# Altium PCB V5_BASE.PcbDoc (part 1 of 2) (continued)
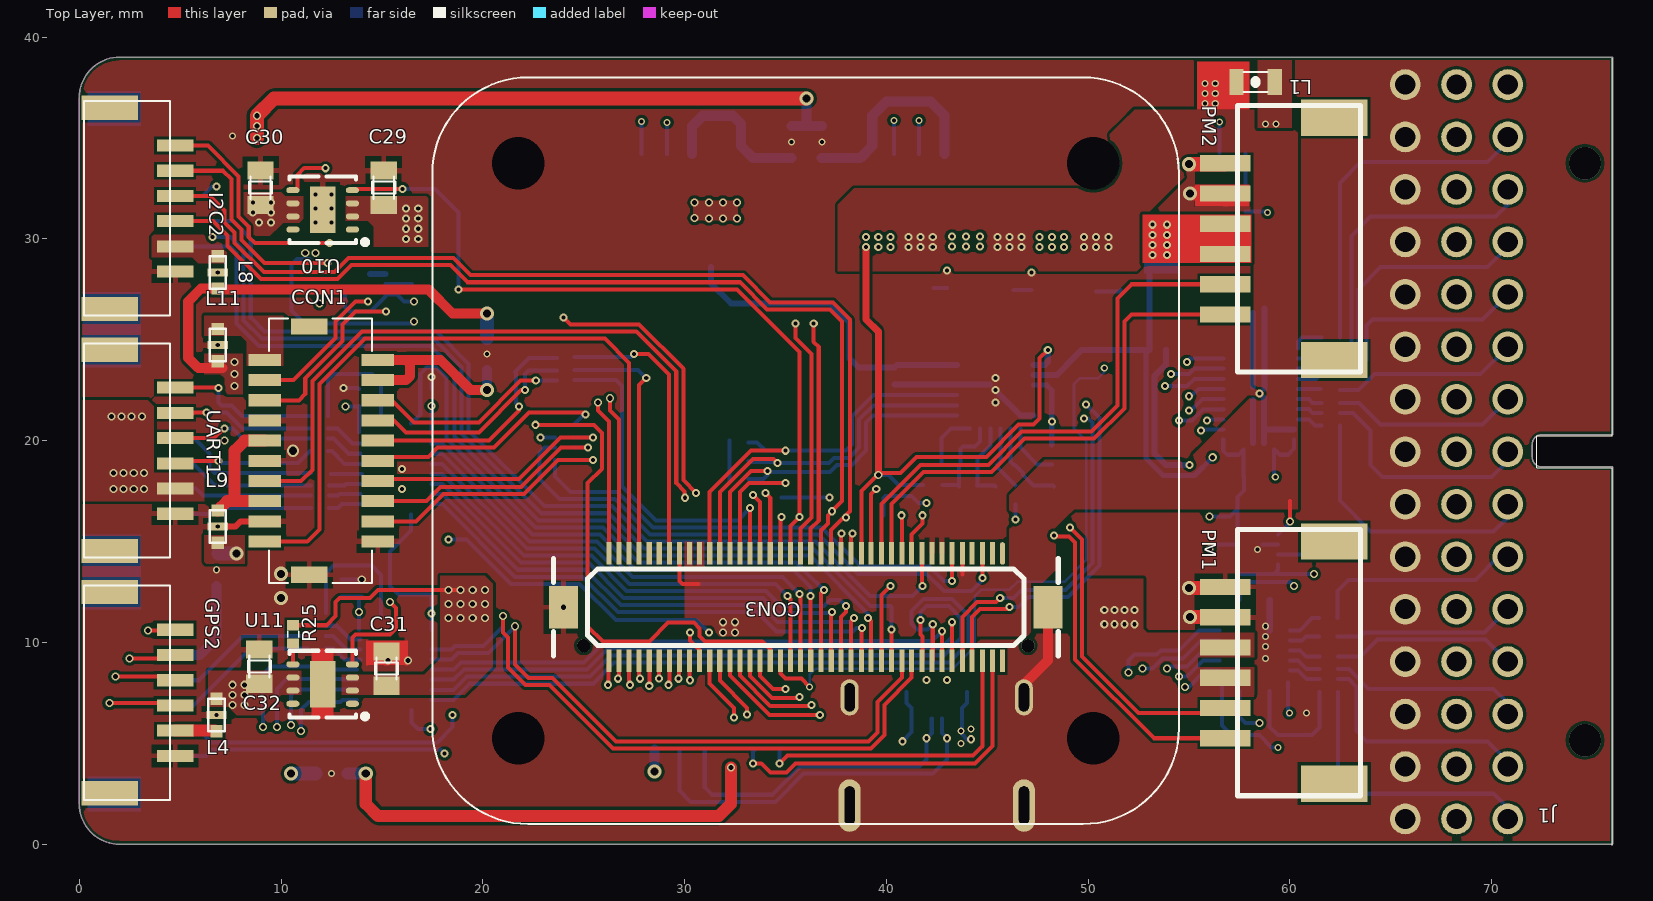
[diagram p0: Top Layer view]
## Footprints (in the part's own frame and the unit in brackets; to place one, negate y for a bottom-side part, rotate by r counter-clockwise, add the part's x,y. Pads: shape width x height; smd on the part's side, far side on the other; paste and mask are expansions set on the pad) (continued)
  silkscreen extent -3.99,-0.66 4.16,2.94, body extent -4.07,-1.67 4.18,3.18, height 4.4
DF17(1.0H)-80DP-0.5V(57) [mil]
  rrect100% 10x44 smd: 1(374,104.67)
  rect 10x44 smd: 2(374,-104.67) 3(355,104.67) 4(355,-104.67) 5(335,104.67) 6(335,-104.67) 7(315,104.67) 8(315,-104.67) 9(296,104.67) 10(296,-104.67) 11(276,104.67) 12(276,-104.67) 13(256,104.67) 14(256,-104.67) 15(237,104.67) 16(237,-104.67) 17(217,104.67) 18(217,-104.67) 19(197,104.67) 20(197,-104.67) 21(178,104.67) 22(178,-104.67) 23(158,104.67) 24(158,-104.67) 25(138,104.67) 26(138,-104.67) 27(118,104.67) 28(118,-104.67) 29(99,104.67) 30(99,-104.67) 31(79,104.67) 32(79,-104.67) 33(59,104.67) 34(59,-104.67) 35(40,104.67) 36(40,-104.67) 37(20,104.67) 38(20,-104.67) 39(0,104.67) 40(0,-104.67) 41(-19.84,104.67) 42(-19.84,-104.67) 43(-39.53,104.67) 44(-39.53,-104.67) 45(-59.21,104.67) 46(-59.21,-104.67) 47(-78.9,104.67) 48(-78.9,-104.67) 49(-98.58,104.67) 50(-98.58,-104.67) 51(-118.27,104.67) 52(-118.27,-104.67) 53(-137.95,104.67) 54(-137.95,-104.67) 55(-157.64,104.67) 56(-157.64,-104.67) 57(-177.32,104.67) 58(-177.32,-104.67) 59(-197.01,104.67) 60(-197.01,-104.67) 61(-216.69,104.67) 62(-216.69,-104.67) 63(-236.38,104.67) 64(-236.38,-104.67) 65(-256.06,104.67) 66(-256.06,-104.67) 67(-275.75,104.67) 68(-275.75,-104.67) 69(-295.43,104.67) 70(-295.43,-104.67) 71(-315.12,104.67) 72(-315.12,-104.67) 73(-334.8,104.67) 74(-334.8,-104.67) 75(-354.49,104.67) 76(-354.49,-104.67) 77(-374.17,104.67) 78(-374.17,-104.67) 79(-393.86,104.67) 80(-393.86,-104.67)
  rect 56x83 smd: GND(-482.44,-0.33) GND(463,-0.33)
  round 26 hole 26 unplated: hole-1(-443.07,-75.14) hole-2(424,-75.14)
  silkscreen extent -502,-95 483,95, body extent -502,-110 482,115, height 124
KYOCERA-KNH16-DA [mm]
  rect 0.4x1 smd: GND(0,0)
  rect 0.61x0.61 smd: P$1(-0.8,0) P$2(0.8,0)
  silkscreen extent -0.8,-0.4 0.81,0.41, body extent -0.5,-0.25 0.5,0.25, height 0.35
MIC5530 [mm] "QFN, 8-Leads, Body 2.0x2.0mm (max), Pitch 0.00mm, Pitch1 0.50mm, IPC Medium Density"
  oval 0.65x0.225 smd: 1(-1,0.75) 2(-1,0.25) 3(-1,-0.25) 4(-1,-0.75) 5(1,-0.75) 6(1,-0.25) 7(1,0.25) 8(1,0.75)
  rrect50% 0.5x1.25 smd: 2(0,0)
  silkscreen extent -1.38,-1 1,1.42, body extent -1,-1 1,1, height 0.85
QFN8_0.65 [mm]
  rect 1.25x2.3 smd: 0(0,0)
  oval 0.65x0.3 smd: 1(-1.475,0.975) 2(-1.475,0.325) 3(-1.475,-0.325) 4(-1.475,-0.975) 5(1.475,-0.975) 6(1.475,-0.325) 7(1.475,0.325) 8(1.475,0.975)
  silkscreen extent -2.23,-1.65 1.65,1.72, body extent -1.6,-1.5 1.6,1.5, height 0.63
QFN24 [mm]
  rect 0.7x0.25 smd: 1(-1.9,1.25) 2(-1.9,0.75) 3(-1.9,0.25) 4(-1.9,-0.25) 5(-1.9,-0.75) 6(-1.9,-1.25) 13(1.9,-1.25) 14(1.9,-0.75) 15(1.9,-0.25) 16(1.9,0.25) 17(1.9,0.75) 18(1.9,1.25)
  rect 0.25x0.7 smd: 7(-1.25,-1.9) 8(-0.75,-1.9) 9(-0.25,-1.9) 10(0.25,-1.9) 11(0.75,-1.9) 12(1.25,-1.9) 19(1.25,1.9) 20(0.75,1.9) 21(0.25,1.9) 22(-0.25,1.9) 23(-0.75,1.9) 24(-1.25,1.9)
  rect 2x2 smd: 24(0,0)
  silkscreen extent -2,-1.9 2,2, body extent -2,-1.95 2,2.05, height 1
QFN24-RGY [mm]
  rrect50% 0.864x0.25 smd mask+0.07: 1(-2.647,-0.804) 12(2.864,-0.804) 13(2.864,0.708) 24(-2.647,0.708)
  rrect50% 0.25x0.864 smd mask+0.07: 2(-2.139,-1.804) 3(-1.656,-1.804) 4(-1.148,-1.804) 5(-0.64,-1.804) 6(-0.136,-1.804) 7(0.364,-1.804) 8(0.864,-1.804) 9(1.364,-1.804) 10(1.864,-1.804) 11(2.364,-1.804) 14(2.364,1.699) 15(1.864,1.699) 16(1.364,1.699) 17(0.864,1.699) 18(0.364,1.699) 19(-0.136,1.699) 20(-0.64,1.699) 21(-1.148,1.699) 22(-1.656,1.699) 23(-2.139,1.699)
  rect 0.6x0.2 smd mask+0.07: 22(-2.325,-0.325) 22(-2.325,0.225) 22(2.55,-0.325) 22(2.55,0.25)
  rect 3.5x1.75 smd mask+0.07: 22(0.125,0)
  silkscreen extent -2.98,-2.13 2.86,1.7, body extent -2.65,-1.8 2.87,1.72, height 1
R0402#1 [mm]
  rect 0.5x0.6 smd: 1(-0.475,0) 2(0.475,0)
  silkscreen extent -0.13,-0.27 0.14,0.28, body extent -0.51,-0.25 0.49,0.25, height 0.3
R0402#2 [mm]
  rect 0.5x0.6 smd: 1(0.275,-0.1) 2(-0.675,-0.1)
  silkscreen extent -0.13,-0.27 0.14,0.28, body extent -0.51,-0.25 0.49,0.25, height 0.3
SM06B-GHS-TB#1 [mm]
  rect 1.2x2.6 smd: 1(-4.975,2) 1(5,2)
  rect 0.6x1.8 smd: 1(-3.125,-1.25) 2(-1.875,-1.25) 3(-0.625,-1.25) 4(0.625,-1.25) 5(1.875,-1.25) 6(3.125,-1.25)
  silkscreen extent -5.3,-1 5.33,3.28, body extent -5.38,-1.87 5.38,2.98, height 4.35
SM06B-GHS-TB#2 [mm]
  rect 1.2x2.8 smd: 0(-4.975,2) 0(5,2)
  rect 0.6x1.8 smd: 1(-3.125,-1.25) 2(-1.875,-1.25) 3(-0.625,-1.25) 4(0.625,-1.25) 5(1.875,-1.25) 6(3.125,-1.25)
  silkscreen extent -5.3,-1 5.33,3.28, body extent -5.38,-1.88 5.37,2.97, height 4.35
SM07B-GHS-TB [mm]
  rect 1.2x2.6 smd: 1(-5.5,3.15) 1(5.5,3.15)
  rect 0.6x1.6 smd: 1(-3.75,0) 2(-2.5,0) 3(-1.25,0) 4(0,0) 5(1.25,0) 6(2.5,0) 7(3.75,0)
  silkscreen extent -6.02,0.15 6,4.42, body extent -6,-0.3 6,4.55, height 4.35
V5_IO_PWM [mil]
  round 60 hole 39.37: 1(-716.54,100) 2(-614.17,100) 3(-511.81,100) 4(-409.45,100) 5(-307.09,100) 6(-204.72,100) 7(-102.36,100) 8(0,100) 9(102.36,100) 10(204.72,100) 11(307.09,100) 12(409.45,100) 13(511.81,100) 14(614.17,100) 15(716.54,100) GND(-716.54,-100) GND(-614.17,-100) GND(-511.81,-100) GND(-409.45,-100) GND(-307.09,-100) GND(-204.72,-100) GND(-102.36,-100) GND(0,-100) GND(102.36,-100) GND(204.72,-100) GND(307.09,-100) GND(409.45,-100) GND(511.81,-100) GND(614.17,-100) GND(716.54,-100) RC_VCC(-716.54,0) "SERVO VCC"(-614.17,0) "SERVO VCC"(-511.81,0) "SERVO VCC"(-409.45,0) "SERVO VCC"(-307.09,0) "SERVO VCC"(-204.72,0) "SERVO VCC"(-102.36,0) "SERVO VCC"(0,0) "SERVO VCC"(102.36,0) "SERVO VCC"(204.72,0) "SERVO VCC"(307.09,0) "SERVO VCC"(409.45,0) "SERVO VCC"(511.81,0) "SERVO VCC"(614.17,0) "SERVO VCC"(716.54,0)
  silkscreen extent -768,156 768,304, body extent -769,-113 767,742, height 311
VQFN20 [mm]
  oval 0.3x0.7 smd: 1(-0.75,2.25) 10(-0.75,-2.25) 11(0.75,-2.25) 20(0.75,2.25)
  oval 0.7x0.3 smd: 2(-1.75,1.75) 3(-1.75,1.25) 4(-1.75,0.75) 5(-1.75,0.25) 6(-1.75,-0.25) 7(-1.75,-0.75) 8(-1.75,-1.25) 9(-1.75,-1.75) 12(1.75,-1.75) 13(1.75,-1.25) 14(1.75,-0.75) 15(1.75,-0.25) 16(1.75,0.25) 17(1.75,0.75) 18(1.75,1.25) 19(1.75,1.75)
  rect 1.8x2.8 smd: 21(0,0)
  silkscreen extent -2.73,-2.45 1.95,2.45, body extent -1.9,-2.4 1.9,2.4, height 1

## Part data
C1 C2: library part "Cap Pol1", "Polarized Capacitor (Radial)"
C3 C4 C5 C6 C7 C8 C9 C10 C11 C12 C13 C14 C15 C16 C17 C18 C21 C23 C24 C25 C26 C50 C51: library part Cap
C19 C20 C22 C27 C28 C29 C30 C31 C32: library part Cap, "Capacitor"
CON3: library part CON-DF17-80F, "CONN RECEPT 80POS .5MM SMD W/FIT"
L1: library part 0402R100R, "0402R100R 1%"
L2 L3 L4 L5 L6 L7 L8 L9 L10 L11: "Capacitor, Filter, 0.1uF, 25V, 2A, 0603, SMD"
R1 R2 R3 R4 R5 R6 R7 R8 R9 R10 R11 R12 R13 R14: library part Res2, "Resistor"
R15 R16 R17 R18 R20 R21 R23 R24 R27: library part 0402-8R-4R
R19 R25 R26: "0402R1K 1%"
R22 R28 R29: "0402R100R 1%"
U7 U9: library part MIC5530

## Free pads (board coordinates)
  round 0 hole 2.6: 0(21.75,5.25) 0(21.75,33.75) 0(50.25,5.25) 0(50.25,33.75)
  round 2 on Bottom Overlay: 1(74.624,5.148) 1(74.624,33.748)

## Via types
v1: diameter 0.4, hole 0.2, Top Layer to Bottom Layer, tented both sides, 195 vias
v2: diameter 0.4, hole 0.25, Top Layer to Bottom Layer, tented both sides, 88 vias
v3: diameter 0.35, hole 0.2, Top Layer to Bottom Layer, tented both sides, 38 vias
v4: diameter 0.7, hole 0.4, Top Layer to Bottom Layer, tented both sides, 13 vias
v5: diameter 1.6, hole 1.6, Top Layer to Bottom Layer, tented both sides, 2 vias
v6: diameter 0.6, hole 0.4, Top Layer to Bottom Layer, tented both sides, 1 vias

## Nets (pads, with @x,y where several pads share a name; then routed paths per layer and width w, separated by ;. In a path a pad name is that pad's centre, name@x,y a point inside that pad or via, vN(x,y) a via of type N, cw(c..) or ccw(c..) an arc to the next point about the centre after c; other vN are vias at no path point)
3V3_ADC: CON1.7 R19.2 | length 51.9
  Top Layer w0.2: CON1.7@9.2,18 11,18 11.55,18.55 11.55,22.945 14.005,25.4 27.605,25.4 29.588,23.418 29.588,17.893 30,17.48 v1@30,17.339
  Signal Layer 1 w0.2: v1@30.1,17.17 30.1,17.695 33.055,20.65 38.9,20.65 42,17.55 v1(42,16.9)
  Bottom Layer w0.2: R19.2@39.85,16.3 39.85,17.15 39.95,17.25 41.25,17.25 41.6,16.9 v1(42,16.9)
  other v1: 30.027,17.17
3V3_SENSORS_ADC: CON3.21 R19.1 | length 1.7
  Top Layer w0.2: CON3.21@40.771,14.408 v1@40.771,16.121
  other v1: 40.75,16.3
5V_OUT1: C30.1 U10.6 U10.7 UART1.2 UART2.2
  other v1: 8.9,30.8 9.5,30.8 8.6,31.3 9.5,31.3 8.6,31.8 9.5,31.8
  other v2: 1.7,17.6 2.2,17.6 2.7,17.6 3.2,17.6 1.7,18.4 2.2,18.4 2.7,18.4 3.2,18.4 1.6,21.2 2.1,21.2 2.6,21.2 3.1,21.2
5V_OUT2: C32.1 L2.P$1 L3.P$1 L4.P$1 L5.P$1 L6.P$1 L7.P$1 L8.P$1 L9.P$1 L10.P$1 L11.P$1 U11.6 U11.7 | length 62.4
  Top Layer w0.5: 7.1,23.6 5.9,23.6 5.4,24.1 5.4,26.9 6.036,27.536 L8.P$1@6.864,27.536 6.899,27.5 17.3,27.5 18.5,26.3 v4(20.2,26.3)
  Top Layer w0.7: v2(8.8,35) v2(8.8,36.1) 9.65,36.95 v4(36.05,36.95)
  Signal Layer 1 w0.7: v2(8.2,7.4) 10.5,7.4 11.8,6.1 11.8,4.8 v4(10.5,3.5)
  Bottom Layer w0.5: L6.P$1@35.3,35.6 36.05,35.6 ; v4(36.05,36.95) 36.05,35.6 ; L5.P$1@36.8,35.6 36.05,35.6
  Bottom Layer w0.7: L3.P$1@6.9,14.4 v4(7.8,14.4) ; v4(10.5,3.5) L2.P$1@11.7,3.5 ; L10.P$1@20.2,25.1 v4(20.2,26.3)
  other v2: 7.6,6.9 8.2,6.9 7.6,7.4 7.6,7.9 8.2,7.9 7.2,20 7.7,22.7 7.7,23.3 7.7,23.9 8.8,35.6
ADC_VCC: CON1.5 CON1.8 L9.P$2 | length 6.7
  Top Layer w0.6: L9.P$2@6.864,16.536 7.328,17 7.7,17 ; CON1.8@9.2,17 7.7,17 ; CON1.5@9.2,20 8.2,20 7.7,19.5 7.7,17
ALARM: CON3.24 SAFE.3 | length 52.7
  Top Layer w0.2: CON3.24@40.263,9.091 v1(40.263,10.637)
  Signal Layer 1 w0.2: v1(6.6,30.1) 6.6,30.2 6.8,30.4 v1(6.8,32.6)
  Bottom Layer w0.2: SAFE.3@4.75,32.125 6.1,32.125 6.575,32.6 v1(6.8,32.6) ; v1(6.6,30.1) 7.5,30.1 8.15,29.45 8.15,25.945 9.045,25.05 17.555,25.05 18.95,23.655 18.95,20.355 22.905,16.4 26.25,16.4 28,14.65 36.355,14.65 39.205,11.8 40.2,11.8 40.263,11.737 v1(40.263,10.637)
AUX1: J1.10 R29.2 | length 10.5
  Bottom Layer w0.2: R29.2@62.35,11.2 62.35,12.55 62.9,13.1 69.2,13.1 70.348,14.248 J1.10@70.799,14.248
AUX2: J1.11 R28.2 | length 9
  Bottom Layer w0.2: R28.2@62.35,10.3 63.5,10.3 63.7,10.5 69.651,10.5 J1.11@70.799,11.648
AUX3: J1.12 R27.5 | length 9.2
  Bottom Layer w0.2: R27.5@62.375,9.3 63.5,9.3 64.35,10.15 69.698,10.15 J1.12@70.799,9.048
AUX4: J1.13 R27.6 | length 9.7
  Bottom Layer w0.2: R27.6@62.375,8.675 62.925,8.675 63.9,7.7 70.1,7.7 70.799,7.001 J1.13@70.799,6.448
AUX5: J1.14 R27.7 | length 11.7
  Bottom Layer w0.2: R27.7@62.375,8.175 62.925,8.175 63.3,7.8 63.3,5.6 63.8,5.1 69.8,5.1 70.799,4.101 J1.14@70.799,3.848
AUX6: J1.15 R27.8 | length 13.8
  Bottom Layer w0.2: R27.8@62.375,7.55 62.375,3.325 63.2,2.5 70.1,2.5 70.799,1.801 J1.15@70.799,1.248
AUX_1: R29.1 U19.14 | length 1.7
  Bottom Layer w0.2: U19.14@60,10.6 60.5,10.6 61.1,11.2 R29.1@61.45,11.2
AUX_2: R28.1 U19.15 | length 1.5
  Bottom Layer w0.2: U19.15@60,10.1 60.6,10.1 60.8,10.3 R28.1@61.45,10.3
AUX_3: R27.4 U19.16 | length 1.6
  Bottom Layer w0.2: U19.16@60,9.6 60.5,9.6 60.8,9.3 R27.4@61.475,9.3
AUX_4: R27.3 U19.17 | length 1.7
  Bottom Layer w0.2: U19.17@60,9.1 60.4,9.1 60.825,8.675 R27.3@61.475,8.675
AUX_5: R27.2 U19.18 | length 1.7
  Bottom Layer w0.2: U19.18@60,8.6 60.4,8.6 60.825,8.175 R27.2@61.475,8.175
AUX_6: R27.1 U19.20 | length 6.4
  Bottom Layer w0.2: U19.20@59,7.6 59,5.8 59.4,5.4 61.1,5.4 61.475,5.775 R27.1@61.475,7.55
AUX_BATT_CURRENT_SENS: CON3.25 PM2.5 | length 27.1
  Top Layer w0.2: CON3.25@39.755,14.408 39.755,16.855 41.7,18.8 45.055,18.8 46.705,20.45 50.155,20.45 51.45,21.745 51.45,27.05 52.15,27.75 PM2.5@56.8,27.75
AUX_BATT_VOLTAGE_SENS: CON3.23 PM2.6 | length 25.4
  Top Layer w0.2: CON3.23@40.263,14.408 40.263,16.868 41.845,18.45 45.2,18.45 46.85,20.1 50.3,20.1 51.8,21.6 51.8,25.9 52.15,26.25 PM2.6@56.8,26.25
BATT1_CURRENT_PROT: CON3.49 PM1.5 | length 36.4
  Top Layer w0.2: v1(33.4,17.3) 33.746,16.954 CON3.49@33.746,14.408 ; v1(49.1,15.7) 49.7,15.1 49.7,9.3 52.5,6.5 56.55,6.5 PM1.5@56.8,6.75
  Signal Layer 1 w0.2: v1(33.4,17.3) 33.8,16.9 35.495,16.9 36.22,17.625 37.58,17.625 40.755,14.45 47.04,14.45 47.39,14.8 48.8,14.8 49.1,15.1 v1(49.1,15.7)
BATT1_VOLTAGE_PROT: CON3.47 PM1.6 | length 35.2
  Top Layer w0.2: v1(34,17.4) 34.246,17.154 CON3.47@34.246,14.408 ; v1(48.3,15.3) 48.35,15.25 49.05,15.25 49.35,14.95 49.35,9.155 53.255,5.25 PM1.6@56.8,5.25
  Signal Layer 1 w0.2: v1(34,17.4) 35.5,17.4 36.075,17.975 37.725,17.975 40.9,14.8 46.895,14.8 47.395,15.3 v1(48.3,15.3)
CAN1_VCC: CAN1.2 L5.P$2 | length 10.3
  Bottom Layer w0.5: L5.P$2@36.8,34 38.7,34 39.3,34.6 39.3,36.1 40,36.8 42.2,36.8 42.875,36.125 CAN1.2@42.875,34.207
CAN2_VCC: CAN2.2 L6.P$2 | length 8
  Bottom Layer w0.5: CAN2.2@30.375,34.207 30.375,35.575 30.9,36.1 32.4,36.1 32.8,35.7 32.8,34.6 33.4,34 L6.P$2@35.3,34
CAN_H_1: CAN2.4 CON3.79 | length 26.1
  Top Layer w0.2: v2(25.7,21.9) 25.7,21.5 26.261,20.939 26.261,14.423 CON3.79@26.246,14.408
  Signal Layer 1 w0.2: v2(25.7,21.9) 25.65,21.95 25.65,30.945 26.355,31.65 28.35,31.65 28.7,32 28.7,35.1 27.975,35.825 v3(27.875,35.825)
  Bottom Layer w0.2: CAN2.4@27.875,34.207 v3(27.875,35.825)
CAN_H_2: CAN1.4 CON3.41 | length 28.4
  Top Layer w0.2: v1(35.5,25.8) 35.5,25.095 36.3,24.295 36.3,16.189 35.746,15.635 CON3.41@35.746,14.408
  Signal Layer 1 w0.2: v1(35.5,25.8) 35.65,25.95 35.65,32.65 36.75,33.75 40.55,33.75 40.9,34.1 40.9,35.35 v3(40.375,35.875)
  Bottom Layer w0.2: CAN1.4@40.375,34.207 v3(40.375,35.875)
CAN_L_1: CAN2.3 CON3.77 | length 25.8
  Top Layer w0.2: v2(26.3,22.1) 26.3,21.5 26.746,21.054 CON3.77@26.746,14.408
  Signal Layer 1 w0.2: v2(26.3,22.1) 26,22.4 26,30.8 26.5,31.3 28.6,31.3 29.1,31.8 29.1,35.75 v3(29.125,35.775)
  Bottom Layer w0.2: CAN2.3@29.125,34.207 v3(29.125,35.775)
CAN_L_2: CAN1.3 CON3.39 | length 28.4
  Top Layer w0.2: CON3.39@36.25,14.408 36.25,15.644 36.65,16.044 36.65,24.65 36.4,24.9 v1(36.4,25.8)
  Signal Layer 1 w0.2: v1(36.4,25.8) 36,26.2 36,32.505 36.895,33.4 41.1,33.4 41.625,33.925 v3(41.625,35.875)
  Bottom Layer w0.2: CAN1.3@41.625,34.207 v3(41.625,35.875)
D1_3V3: C13.2 C15.2 C20.1 C23.2 U5.2 U5.10 U6.2 U6.10 U7.8 | length 60.6
  Signal Layer 1 w0.2: v2(11.7,29.3) 11.7,30 12.05,30.35 13.25,30.35 13.8,29.8 13.8,27.531 13.5,27.231 13.5,23.815 13.95,23.365 13.95,17.529 15.479,16 16.6,16 17.464,15.136 17.464,13.1 ; v2(16.6,25.9) 16.4,25.7 16.4,22.06 16.75,21.711 v2(17.464,21.711) ; v1(17.4,5.7) 17.4,9.005 16.5,9.905 16.5,11.1 16.3,11.3 15.4,11.3 14.95,11.75 14.95,12.35 15.4,12.8 17.164,12.8 17.464,13.1 ; v1(17.464,11.431) 17.464,13.1
  Bottom Layer w0.2: 11.4,29 10.8,29 10.518,28.718 10.518,26.442 11.16,25.8 16.5,25.8 v2(16.6,25.9) ; U6.10@16.45,16.35 16.45,15.55 15.4,14.5 15.4,12.8 15.825,12.375 C23.2@16.3,12.375 C13.2@17.4,12.375 ; U5.10@16.464,6.65 16.464,6.036 16.8,5.7 v1(17.4,5.7) ; U6.2@17.45,20.35 17.45,21.697 v2(17.464,21.711) ; U5.2@17.464,10.651 v1(17.464,11.431) C13.2@17.464,12.211
  other v2: 11.2,29.3
D2_3V3: C14.2 C16.2 C18.1 C19.1 U5.19 U6.19 U7.7 | length 20.9
  Signal Layer 1 w0.2: v2(11.9,26.8) 11.5,26.4 11.5,23.4 v2(13.2,21.7) 13.2,12.2 13.864,11.536 v2(13.864,11.5)
  Bottom Layer w0.2: C18.1@13,12.275 C14.2@14,12.275 ; v2(13.2,21.7) 13.853,21.7 C16.2@13.864,21.711 U6.19@13.864,20.436 ; U5.19@13.864,10.651 v2(13.864,11.5) C14.2@13.864,12.211
F\M\U\-\L\E\D\_\A\M\B\E\R\: CON3.2
FMU-CH1-PROT: CON3.50 U19.7 | length 31.6
  Top Layer w0.2: CON3.50@33.746,9.091 33.746,8.339 34.385,7.7 v1(35,7.7)
  Signal Layer 1 w0.2: v1(35,7.7) 35,4.805 36.205,3.6 47.79,3.6 48.65,4.46 48.65,6.46 50.69,8.5 v2(52,8.5)
  Bottom Layer w0.2: v2(52,8.5) 52,9.1 52.3,9.4 53.4,9.4 53.6,9.6 54.5,9.6 55.5,10.6 U19.7@56.5,10.6
FMU-CH2-PROT: CON3.52 U19.6 | length 31.6
  Top Layer w0.2: CON3.52@33.246,9.091 33.246,8.344 34.34,7.25 35.65,7.25 v1(35.7,7.3)
  Signal Layer 1 w0.2: v1(35.7,7.3) 35.4,7 35.4,4.9 36.35,3.95 47.645,3.95 48.3,4.605 48.3,6.605 50.645,8.95 52.45,8.95 v2(52.7,8.7)
  Bottom Layer w0.2: v2(52.7,8.7) 53.195,8.7 53.695,9.2 54.7,9.2 55.6,10.1 U19.6@56.5,10.1
FMU-CH3-PROT: CON3.54 U19.5 | length 31.8
  Top Layer w0.2: CON3.54@32.746,9.091 32.746,8.349 34.245,6.85 36.25,6.85 v1(36.3,6.9)
  Signal Layer 1 w0.2: v1(36.3,6.9) 35.8,6.4 35.8,5.1 36.6,4.3 47.5,4.3 47.9,4.7 47.9,6.7 50.5,9.3 53.3,9.3 v2(53.9,8.7)
  Bottom Layer w0.2: v2(53.9,8.7) 54,8.8 54.9,8.8 55.7,9.6 U19.5@56.5,9.6
FMU-CH4-PROT: CON3.56 U19.4 | length 32.1
  Top Layer w0.2: CON3.56@32.246,9.091 32.246,8.354 34.2,6.4 v1(36.7,6.4)
  Signal Layer 1 w0.2: v1(36.7,6.4) 36.7,5.2 37.1,4.8 39.6,4.8 39.95,5.15 39.95,6.25 40.3,6.6 43.4,6.6 44.2,7.4 44.2,8.8 44.4,9 49.705,9 50.355,9.65 54.05,9.65 54.5,9.2 v2(54.5,8.3)
  Bottom Layer w0.2: v2(54.5,8.3) 54.9,8.3 55.7,9.1 U19.4@56.5,9.1
FMU-CH5-PROT: CON3.58 U19.3 | length 35.5
  Top Layer w0.2: CON3.58@31.746,9.091 31.746,8.104 33.1,6.75 v1(33.1,6.425)
  Signal Layer 1 w0.2: v1(33.1,6.425) 33.025,6.425 33.025,7.125 34.8,8.9 40.4,8.9 41,8.3 41,7.5 41.5,7 43.305,7 43.8,7.495 43.8,10 44.5,10.7 47.305,10.7 48.555,9.45 49.66,9.45 50.21,10 54.195,10 54.95,9.245 54.95,7.95 v2(54.8,7.8)
  Bottom Layer w0.2: v2(54.8,7.8) 55,7.8 55.8,8.6 U19.3@56.5,8.6
FMU-CH6-PROT: CON3.60 U19.1 | length 42.2
  Top Layer w0.2: CON3.60@31.246,9.091 31.246,7.954 32.45,6.75 v1(32.45,6.275)
  Signal Layer 1 w0.2: v1(32.45,6.275) 32.425,6.275 32.425,6.69 32.675,6.94 32.675,7.27 34.655,9.25 40.745,9.25 41.4,8.595 41.4,7.8 41.8,7.4 43.2,7.4 43.45,7.65 43.45,10.145 44.405,11.1 47.4,11.1 48.7,9.8 49.515,9.8 50.065,10.35 54.34,10.35 54.49,10.2 54.5,10.2 55.3,9.4 55.3,6.2 55.5,6 v2(58.5,6)
  Bottom Layer w0.2: U19.1@57.5,7.6 57.5,6.3 57.8,6 v2(58.5,6)
FMU-SWCLK: CON3.3
FMU-SWDIO: CON3.1
GND: C1.C C2.C C3.1 C4.1 C5.1 C6.1 C7.2 C8.2 C9.2 C10.2 C11.2 C12.2 C13.1 C14.1 C15.1 C16.1 C17.1 C18.2 C19.2 C20.2 C21.2 C22.2 C23.1 C24.2 C25.2 C26.1 C27.2 C28.2 C29.2 C30.2 C31.2 C32.2 C50.1 C51.1 CAN1.1 CAN2.1 CON1.4 CON1.6 CON1.9 CON1.11 CON3.13 CON3.15 CON3.GND GPS1.1 GPS2.1 I2C2.1 J1.GND L2.GND L3.GND L4.GND L5.GND L6.GND L7.GND L8.GND L9.GND L10.GND L11.GND pad.0 PM1.1 PM1.2 PM2.1 PM2.2 R7.1 R8.1 R9.1 RSSI.1 SAFE.1 U3.10 U3.24 U5.11 U5.21 U6.11 U6.21 U7.2 U8.11 U8.12 U8.13 U8.22 U9.2 U10.0 U11.0 U19.11 U19.21 UART1.1 UART2.1 USB.0 USB.A1 USB.A12 USB.B1 USB.B12 USB_I2C.1 | length 40.6
  Top Layer w0.3: v3(6.864,15.736) 7.736,15.736 8,16 CON1.9@9.2,16
  Top Layer w0.5: USB.0@46.82,7.275 46.82,7.92 48.01,9.11 CON3.GND@48.01,11.741 ; PM2.1@56.75,33.7 PM2.1@56.8,33.75 ; PM1.2@56.8,11.25 PM1.2@56.85,11.2 ; PM2.2@56.8,32.25 PM2.2@56.85,32.2
  Top Layer w0.7: v4(55,12.7) PM1.1@56.75,12.7 ; v4(55,33.7) PM2.1@56.75,33.7 ; v4(55.05,11.25) PM1.2@56.8,11.25 ; v4(55.05,32.25) PM2.2@56.8,32.25
  Bottom Layer w0.2: C18.2@13,13.125 v2(14,13.125) ; v1(13.1,22.6) 13.824,22.6 C16.1@13.864,22.561 ; C15.1@17.464,22.561 v1(17.464,23.164) ; 58.65,14.85 U9.2@59.4,14.85
  Bottom Layer w0.3: U7.2@14.418,28.25 U7.2@15.168,28.25 ; C5.1@40.4,22.775 C3.1@41.5,22.775 U3.24@45.125,22.775 ; v1(45.4,22.5) 46.65,21.25 U3.24@47.3,21.25 ; U8.22@58.175,19.875 U8.22@58.175,22 ; U8.22@58.175,22.65 U8.22@58.175,24.75 58.175,26.325 ; U8.22@58.725,19.875 U8.22@58.725,22.1 ; 58.725,20.544 U8.22@60.199,20.544 ; U8.22@58.75,22.575 U8.22@58.75,24.75 58.75,26.55 ; U19.21@59,10.6 U19.11@59,12.1
  other v1: 16,17.6 16,18.6 45.4,21.9 58.5,22.325 45.4,23.1 47.2,28.325 43,28.425 11.7,30.8 12.5,30.8 11.7,31.5 12.5,31.5 11.7,32.2 12.5,32.2
  other v2: 15.3,9.1 16.3,9.1 23.996,11.741
  other v3: 12.5,3.5 6.8,6.4 60.825,6.5 58.8,9.2 58.8,9.8 58.8,10.3 58.8,10.8 6.8,13.6 58.4,14.6 20.2,24.3 6.864,24.736 6.864,28.336 35.3,34.8 36.8,34.8 7.6,35.1
  other v4: 10,12.2 10,13.4
  other v6: 10.6,19.5
GPIO_SPI5_MISO: CON3.67 R20.5 | length 14.1
  Top Layer w0.2: v1(27.5,24.3) 28.21,24.3 29.238,23.273 29.238,14.417 CON3.67@29.246,14.408
  Bottom Layer w0.2: R20.5@24.538,24.136 27.336,24.136 v1(27.5,24.3)
GPIO_SPI5_MOSI: CON3.51 R20.7 | length 17
  Top Layer w0.2: CON3.51@33.246,14.408 v1(33.246,16.654)
  Bottom Layer w0.2: R20.7@24.538,23.01 26.59,23.01 26.9,22.7 26.9,17.73 28.58,16.05 32.642,16.05 v1(33.246,16.654)
GPIO_SPI5_SCK: CON3.73 R20.6 | length 12.6
  Top Layer w0.2: CON3.73@27.746,14.408 27.746,22.746 v1(28.1,23.1)
  Bottom Layer w0.2: R20.6@24.538,23.511 27.689,23.511 v1(28.1,23.1)
GPS1_RX1: GPS1.3 R17.6 | length 7.2
  Bottom Layer w0.2: GPS1.3@5,8.125 5.925,8.125 8.125,10.325 R17.6@11.325,10.325
GPS1_TX1: GPS1.4 R17.5 | length 7.5
  Bottom Layer w0.2: GPS1.4@5,6.875 5.67,6.875 8.495,9.7 R17.5@11.325,9.7
GPS1_VCC: GPS1.2 L3.P$2 | length 5
  Bottom Layer w0.5: GPS1.2@4.75,9.375 5.975,9.375 6.8,10.2 L3.P$2@6.8,12.8
GPS2_VCC: GPS2.2 L4.P$2 | length 2
  Top Layer w0.6: GPS2.2@4.75,5.625 L4.P$2@6.725,5.625
I2C2_VCC: I2C2.2 L8.P$2
I2C3_VCC: CON1.1 L11.P$2
I2C_2_SCL: CON3.6 I2C2.5 USB_I2C.7 | length 76.2
  Top Layer w0.2: I2C2.5@5,33.375 7.13,33.375 7.55,32.955 7.55,30.955 8.05,30.455 8.05,29.94 9.19,28.8 v1(12.3,28.8) ; v1(34.7,4) 35.1,4.4 44.305,4.4 44.759,4.854 CON3.6@44.759,9.091
  Signal Layer 1 w0.2: v1(12.3,28.8) 12.3,28.5 10.8,27 10.8,22.969 12.45,21.319 12.45,7.61 14.31,5.75 15.755,5.75 16.05,5.455 16.05,3.455 18.055,1.45 33.15,1.45 33.8,2.1 33.8,3.1 v1(34.7,4)
  Bottom Layer w0.2: v1(34.7,4) 34.7,4.65 USB_I2C.7@34.8,4.75
I2C_2_SDA: CON3.4 I2C2.6 USB_I2C.6 | length 78.6
  Top Layer w0.2: I2C2.6@5,34.625 6.375,34.625 7.9,33.1 7.9,31.1 8.4,30.6 8.4,30.1 8.7,29.8 v1(12.4,29.8) ; v1(33.4,4) 33.8,4 34.25,3.55 35.05,3.55 35.5,4 44.4,4 45.267,4.867 CON3.4@45.267,9.091
  Signal Layer 1 w0.2: v1(12.4,29.8) 12.4,29.5 12.8,29.1 12.8,27.9 12.5,27.6 11.895,27.6 11.15,26.855 11.15,23.114 12.8,21.464 12.8,7.755 14.455,6.1 15.9,6.1 16.4,5.6 16.4,3.6 18.2,1.8 33,1.8 33.4,2.2 v1(33.4,4)
  Bottom Layer w0.2: v1(33.4,4) 33.4,4.6 USB_I2C.6@33.5,4.7
I2C_3_SCL: CON1.2 CON3.10 | length 74
  Top Layer w0.2: CON1.2@9.2,23 10.615,23 12.7,25.085 12.7,25.9 13.7,26.9 v1(14.3,26.9) ; CON3.10@43.768,9.091 43.768,11.268 44.5,12 45.443,12 v1(45.643,12.2)
  Signal Layer 1 w0.2: v1(14.3,26.9) 14.3,24.005 14.65,23.655 14.65,17.819 15.719,16.75 23.025,16.75 24.178,17.903 25.85,17.903 31.746,23.8 40.205,23.8 43.505,20.5 46.995,20.5 47.902,21.407 49.493,21.407 v1(49.8,21.1)
  Bottom Layer w0.2: v1(45.643,12.2) 46.286,12.2 46.293,12.193 46.7,12.6 48.867,12.6 50.212,13.946 50.212,20.888 50,21.1 v1(49.8,21.1)
I2C_3_SDA: CON1.3 CON3.8 | length 75.3
  Top Layer w0.2: CON1.3@9.2,22 10.895,22 11.2,22.305 11.2,23.09 13.05,24.94 13.05,25.755 13.695,26.4 v1(15.2,26.4) ; CON3.8@44.251,9.091 44.251,11.256 44.645,11.65 46,11.65 v1(46.1,11.75)
  Signal Layer 1 w0.2: v1(15.2,26.4) 14.7,25.9 14.7,24.1 15,23.8 15,17.964 15.864,17.1 22.88,17.1 24.034,18.253 25.705,18.253 31.601,24.15 40.35,24.15 43.65,20.85 46.85,20.85 47.8,21.8 v1(49.9,21.8)
  Bottom Layer w0.2: v1(46.1,11.75) 46.55,11.75 47.05,12.25 49.012,12.25 50.562,13.801 50.562,21.138 v1(49.9,21.8)
I2C_SCL1: CON3.37 GPS1.5 I2C2.3 | length 92.2
  Top Layer w0.2: I2C2.3@5,30.875 6.64,30.875 7.35,30.165 7.35,29.65 9,28 12.8,28 13.5,28.7 18.4,28.7 19.25,27.85 32.745,27.85 34.095,26.5 37.2,26.5 37.8,25.9 37.8,17 v1(37.3,16.5) 37.1,16.3 37.1,15.9 36.758,15.558 CON3.37@36.758,14.408
  Signal Layer 1 w0.2: v1(18.5,6.4) 18.5,7 19.35,7.85 22.555,7.85 25.405,5 30.85,5 31.6,5.75 31.6,6.855 31.975,7.23 31.975,7.56 33.55,9.135 33.55,13.435 34.565,14.45 36.565,14.45 36.95,14.835 36.95,16.15 v1(37.3,16.5)
  Bottom Layer w0.2: GPS1.5@5,5.625 5,5.65 5.95,5.65 6.55,5.05 17.75,5.05 18.5,5.8 v1(18.5,6.4)
I2C_SDA1: CON3.35 GPS1.6 I2C2.4 | length 94.4
  Top Layer w0.2: I2C2.4@5,32.125 6.475,32.125 7.2,31.4 7.2,30.81 7.7,30.31 7.7,29.795 9.145,28.35 12.655,28.35 13.355,29.05 18.545,29.05 19.395,28.2 32.89,28.2 34.24,26.85 37.345,26.85 38.2,25.995 38.2,16.5 37.266,15.566 CON3.35@37.266,14.408
  Signal Layer 1 w0.2: v1(18.1,4.5) 18.4,4.5 19,5.1 19,7.005 19.495,7.5 22.41,7.5 25.26,4.65 31.15,4.65 31.95,5.45 31.95,6.71 32.325,7.085 32.325,7.415 33.9,8.99 33.9,13.29 34.71,14.1 36.71,14.1 37.3,14.69 37.3,15.561 37.939,16.2 v1(38,16.2)
  Bottom Layer w0.2: GPS1.6@5,4.375 6.275,4.375 6.6,4.7 17.9,4.7 v1(18.1,4.5)
IMU_VCC: CON1.19 CON1.20 L10.P$2 | length 9.6
  Top Layer w0.5: CON1.19@14.8,23 16.2,23 16.4,23.2 16.4,23.8 16.2,24 ; CON1.20@14.8,24 16.2,24 ; v4(20.2,22.5) 19.4,22.5 17.9,24 16.2,24
  Bottom Layer w0.5: v4(20.2,22.5) L10.P$2@20.2,23.5
IO1_3V3: C24.1 C26.2 C27.1 C50.2 U8.1 U8.2 U9.8 U19.2 U19.10 | length 33.5
  Signal Layer 1 w0.3: v2(56.013,16.239) 55.439,16.239 55.1,15.9 55.1,13.8 56.1,12.8 v2(60.2,12.8) 60.5,12.5 60.5,8.7 59.4,7.6 v3(59.4,4.8)
  Bottom Layer w0.2: C27.1@56.213,16.239 57.037,16.239 C26.2@57.4,16.603 ; U19.2@56.625,7.975 C50.2@56.625,6.4 56.625,5.875 57.1,5.4 58.5,5.4 59.1,4.8 v3(59.4,4.8) ; U8.2@56.696,20.061 56.696,19.504 56.9,19.3 57.443,19.3 U8.1@57.696,19.553 C24.1@57.696,18.229 ; U9.8@57.4,15.35 C26.2@57.4,16.603 ; U19.10@57.5,12.1 57.5,12.7 57.8,13 60,13 v2(60.2,12.8) ; C24.1@57.725,18.2 57.725,17.525 57.4,17.2 C26.2@57.4,16.603
IO2_3V3: C17.2 C28.1 C51.2 U8.23 U8.24 U9.7 U19.19 | length 22.6
  Signal Layer 1 w0.2: v2(56.013,14.639) 57.639,14.639 57.8,14.8 ; v3(59.275,18.2) 59.275,16.675 57.8,15.2 57.8,14.8 ; v3(59.975,6.5) 59.975,7.375 61,8.4 61,12.8 60.3,13.5 58.2,13.5 57.8,13.9 57.8,14.8
  Bottom Layer w0.2: C28.1@56.424,14.85 U9.7@57.4,14.85 ; C17.2@59.208,18.367 U8.24@59.208,19.553 59.247,19.553 59.5,19.3 59.9,19.3 60.199,19.599 U8.23@60.199,20.061 ; C51.2@59.905,6.386 U19.19@59.905,8.005
IO-CH1-PROT: CON3.80 U8.10 | length 46.8
  Top Layer w0.2: v1@26.225,7.9 CON3.80@26.225,8.937
  Signal Layer 1 w0.2: v1(26.2,7.9) 26.2,17.759 31.891,23.45 40.06,23.45 43.36,20.15 49.65,20.15 53.4,23.9 v1(54.9,23.9)
  Bottom Layer w0.2: v1(54.9,23.9) 54.9,23.925 55.039,24.064 U8.10@56.696,24.064
IO-CH2-PROT: CON3.78 U8.9 | length 45.6
  Top Layer w0.2: v1(26.7,8.2) 26.746,8.246 CON3.78@26.746,9.091
  Signal Layer 1 w0.2: v1(26.7,8.2) 26.7,17.764 32.036,23.1 39.915,23.1 43.215,19.8 49.8,19.8 50.75,20.75 50.75,20.755 53.295,23.3 v1(54.1,23.3)
  Bottom Layer w0.2: v1(54.1,23.3) 55.005,23.3 55.269,23.564 U8.9@56.696,23.564
IO-CH3-PROT: CON3.76 U8.8 | length 45.4
  Top Layer w0.2: v1@27.25,7.9 CON3.76@27.25,9.037
  Signal Layer 1 w0.2: v1(27.3,7.9) 27.3,17.869 32.181,22.75 39.77,22.75 43.07,19.45 49.945,19.45 51.1,20.605 51.1,20.61 53.19,22.7 v1(53.8,22.7)
  Bottom Layer w0.2: v1(53.8,22.7) 54.9,22.7 55.264,23.064 U8.8@56.696,23.064
IO-CH4-PROT: CON3.74 U8.7 | length 44.1
  Top Layer w0.2: v1@27.746,8.2 CON3.74@27.746,9.033
  Signal Layer 1 w0.2: v1(27.796,8.2) 27.796,17.869 32.326,22.4 39.625,22.4 42.925,19.1 50.09,19.1 51.45,20.46 51.45,20.465 53.185,22.2 v1(55,22.2)
  Bottom Layer w0.2: v1(55,22.2) 55.1,22.2 55.464,22.564 U8.7@56.696,22.564
IO-CH5-PROT: CON3.72 U8.6 | length 44.6
  Top Layer w0.2: CON3.72@28.246,9.091 28.25,9.087 28.25,7.842 28.292,7.8 v1@28.3,7.8
  Signal Layer 1 w0.2: v1@28.25,7.842 v1@28.292,7.8 ; v1@28.3,7.8 28.3,8.026 28.292,8.034 28.292,8.407 28.3,8.414 28.3,17.875 32.475,22.05 39.48,22.05 42.78,18.75 50.235,18.75 53.285,21.8 54.7,21.8 v1(55,21.5)
  Bottom Layer w0.2: v1(55,21.5) 55.1,21.5 55.664,22.064 U8.6@56.696,22.064
  other v1: 28.25,7.85
IO-CH6-PROT: CON3.70 U8.5 | length 42.6
  Top Layer w0.2: v1(28.742,8.22) CON3.70@28.742,9.003
  Signal Layer 1 w0.2: v1(28.742,8.22) 28.742,17.822 32.62,21.7 39.335,21.7 42.635,18.4 50.4,18.4 53,21 v1(54.5,21)
  Bottom Layer w0.2: v1(54.5,21) 55.136,21 55.686,21.55 56.696,21.55 U8.5@56.696,21.56
IO-CH7-PROT: CON3.68 U8.4 | length 42.7
  Top Layer w0.2: v1(29.2,7.9) 29.246,7.946 CON3.68@29.246,9.091
  Signal Layer 1 w0.2: v1(29.2,7.9) 29.2,17.785 32.765,21.35 39.19,21.35 42.49,18.05 50.55,18.05 53.05,20.55 54.686,20.55 55.086,20.95 55.928,20.95 55.955,20.923 55.931,20.9 55.9,20.931 v1(55.9,21)
  Bottom Layer w0.2: v1@56.03,21.052 U8.4@56.696,21.052
IO-CH8-PROT: CON3.66 U8.3 | length 41.4
  Top Layer w0.2: v1@29.725,8.2 CON3.66@29.725,9.045
  Signal Layer 1 w0.2: v1(29.7,8.2) 29.577,8.323 29.577,17.667 32.91,21 39.045,21 42.345,17.7 50.8,17.7 53.3,20.2 54.831,20.2 55.131,20.5 v1(55.6,20.5)
  Bottom Layer w0.2: v1(55.6,20.5) 55.644,20.544 U8.3@56.696,20.544